# Altium PCB BGA_ACUity.PcbDoc (part 1 of 6)
Units mm, origin at the board's own origin, x right, y up, seen from the top; angles counter-clockwise.
Board outline 100 x 100.02 mm, 4 copper layers (TopSignal, Ground, Power, BottomSignal), stack 1.564 mm thick; 445 components, 325 nets, 2065 pads, 376 vias.
Unrouted connection lines stored in the file: 419.
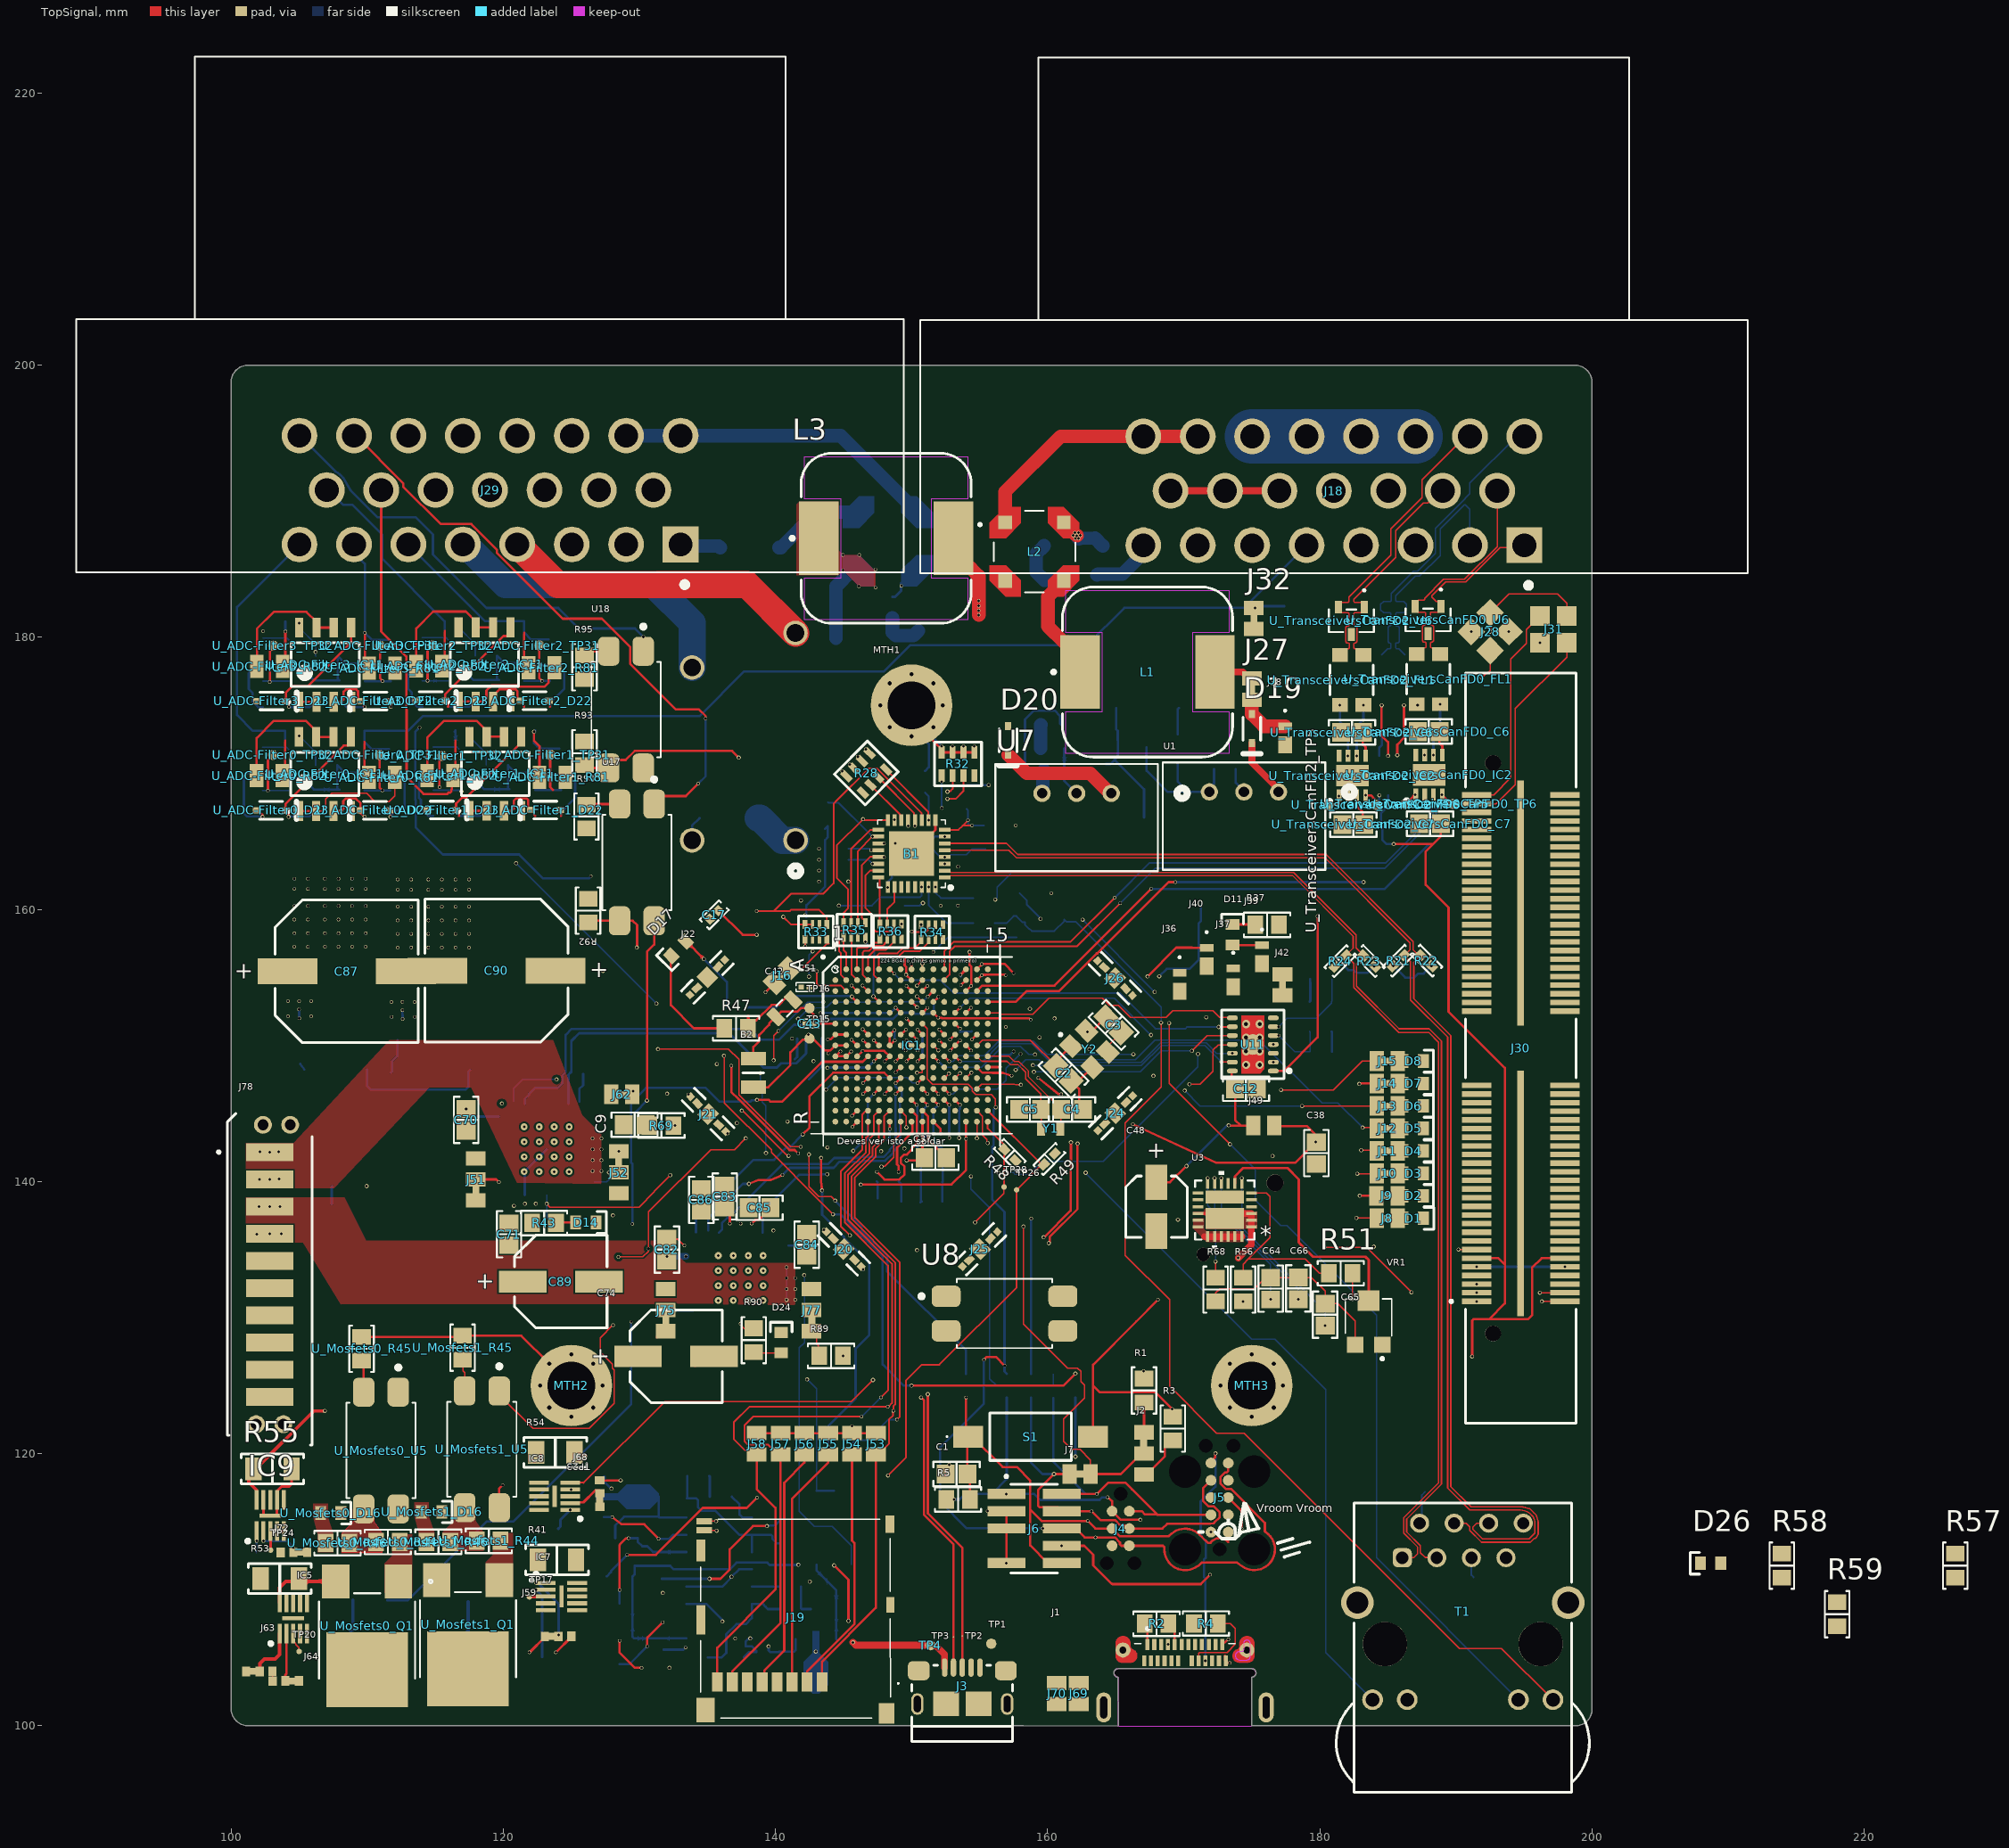
[diagram p0: TopSignal view]
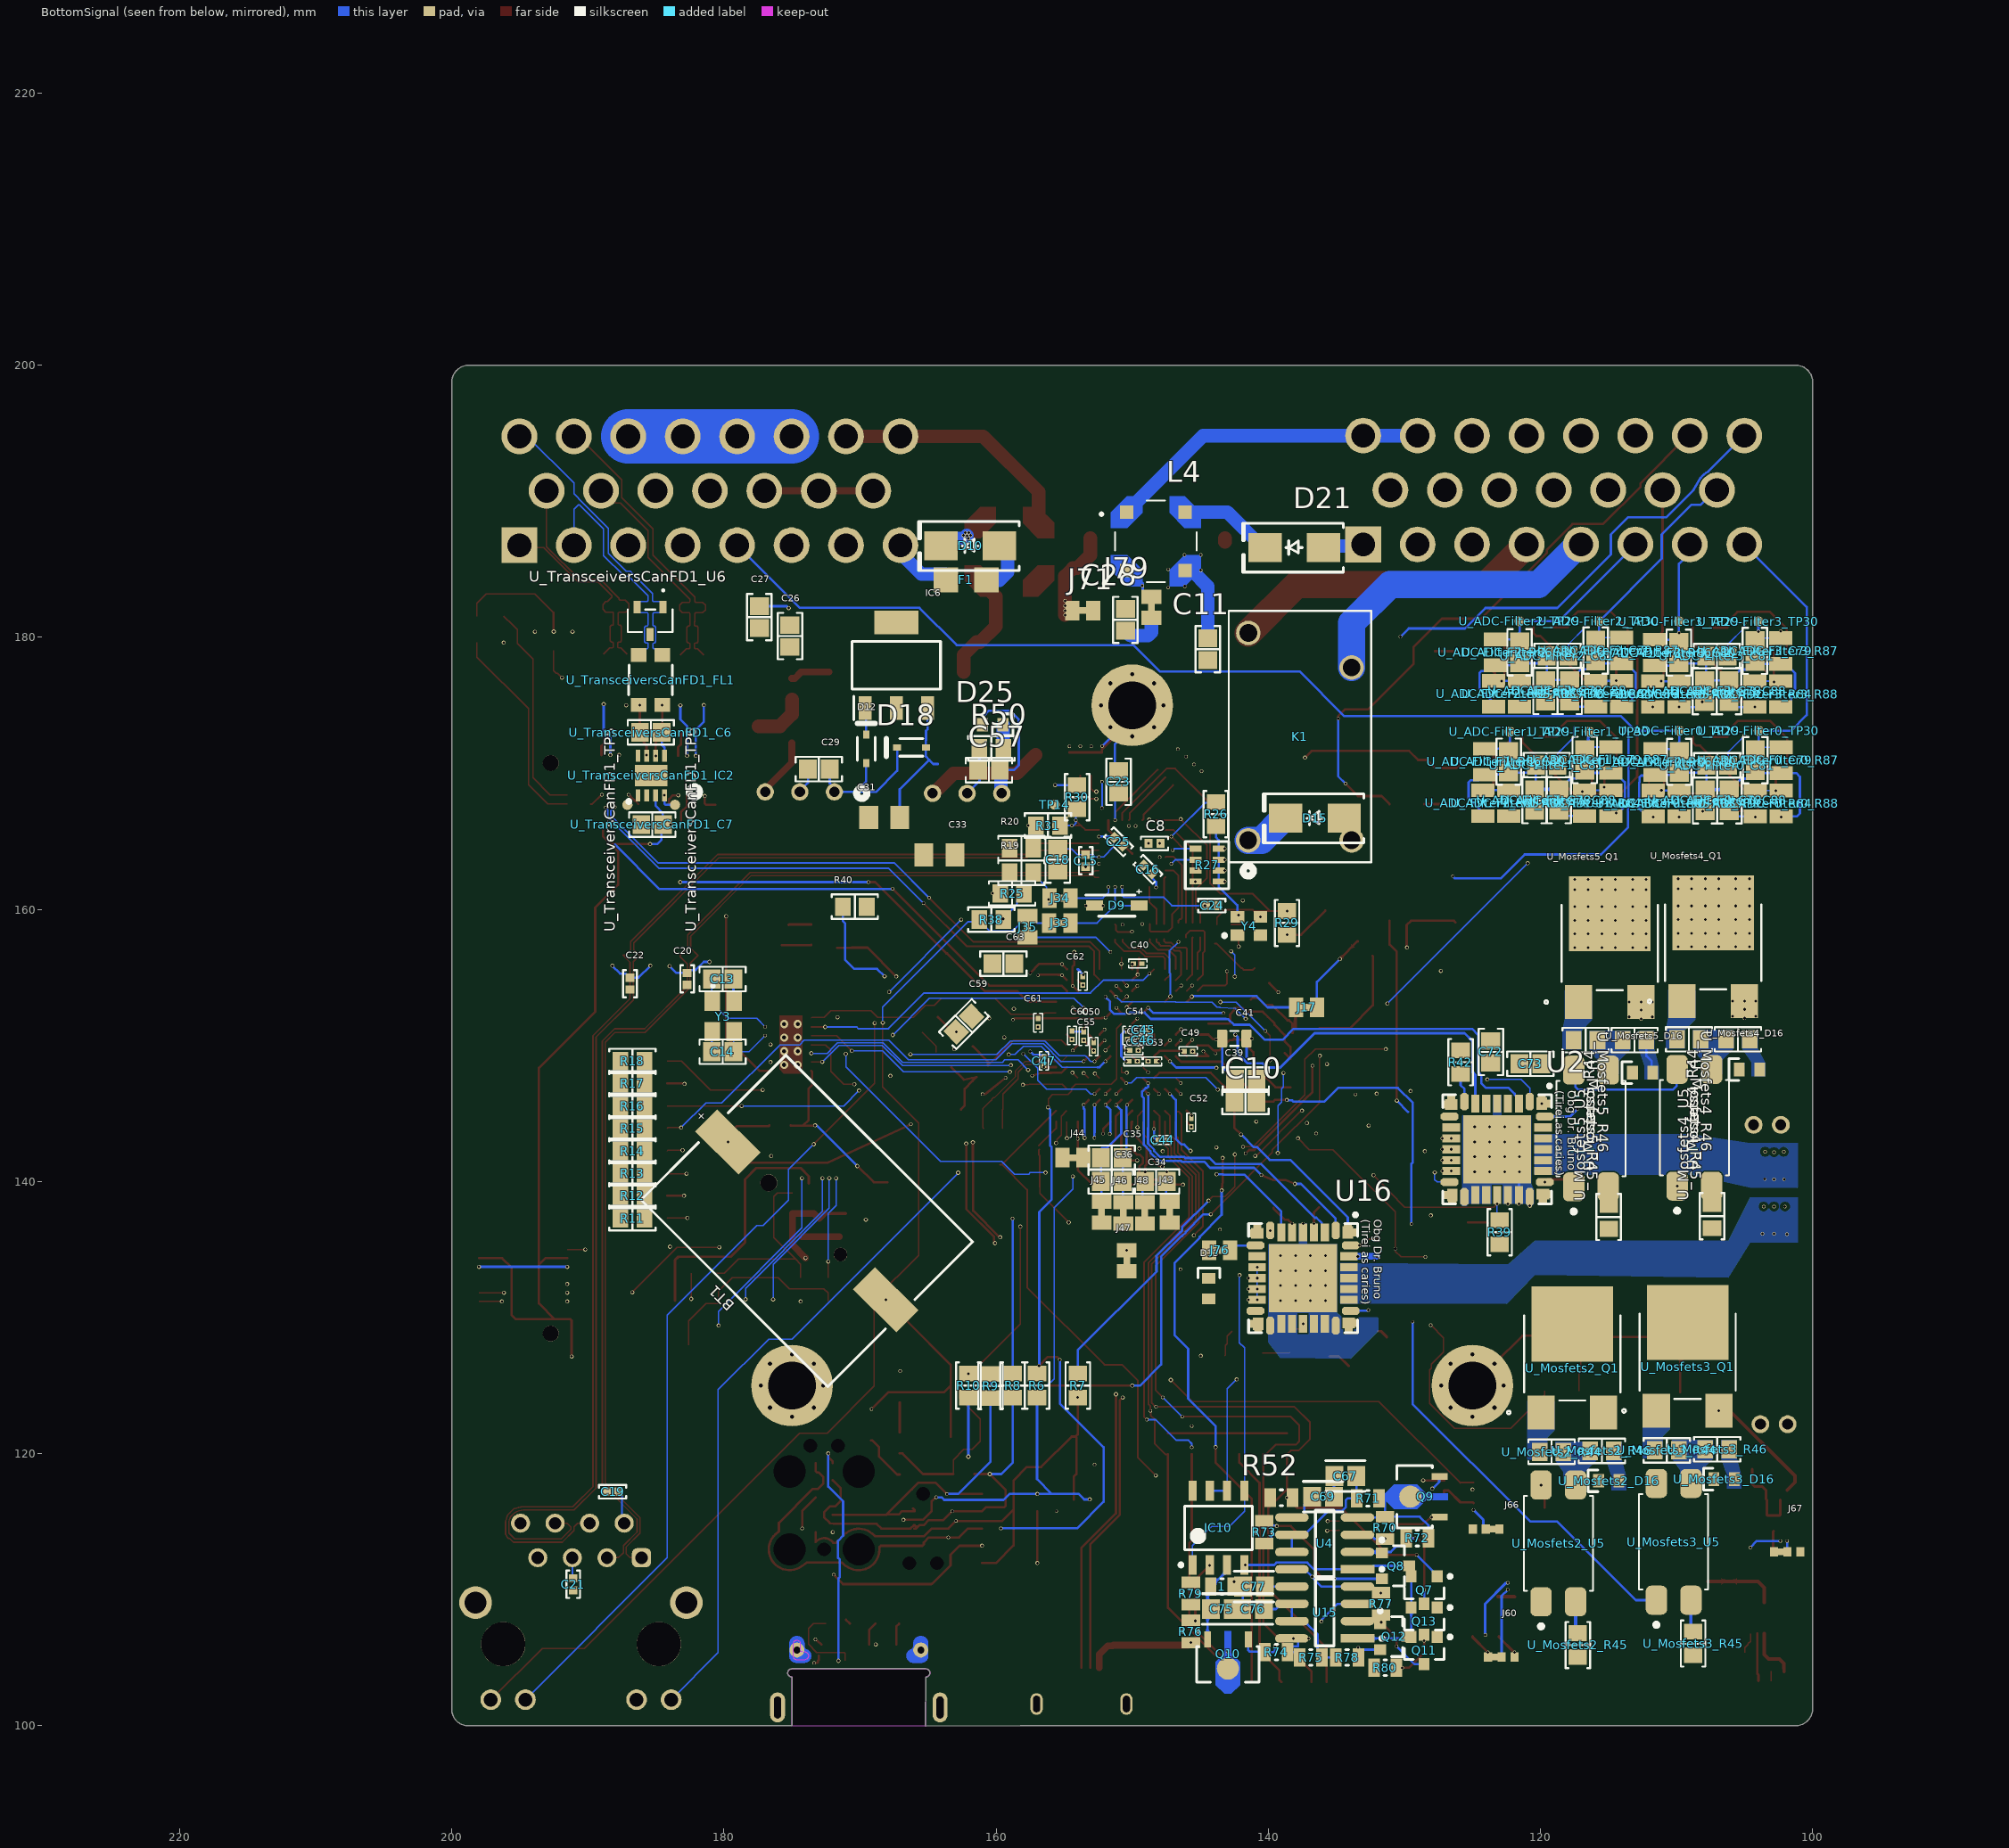
[diagram p1: BottomSignal view, seen from below]
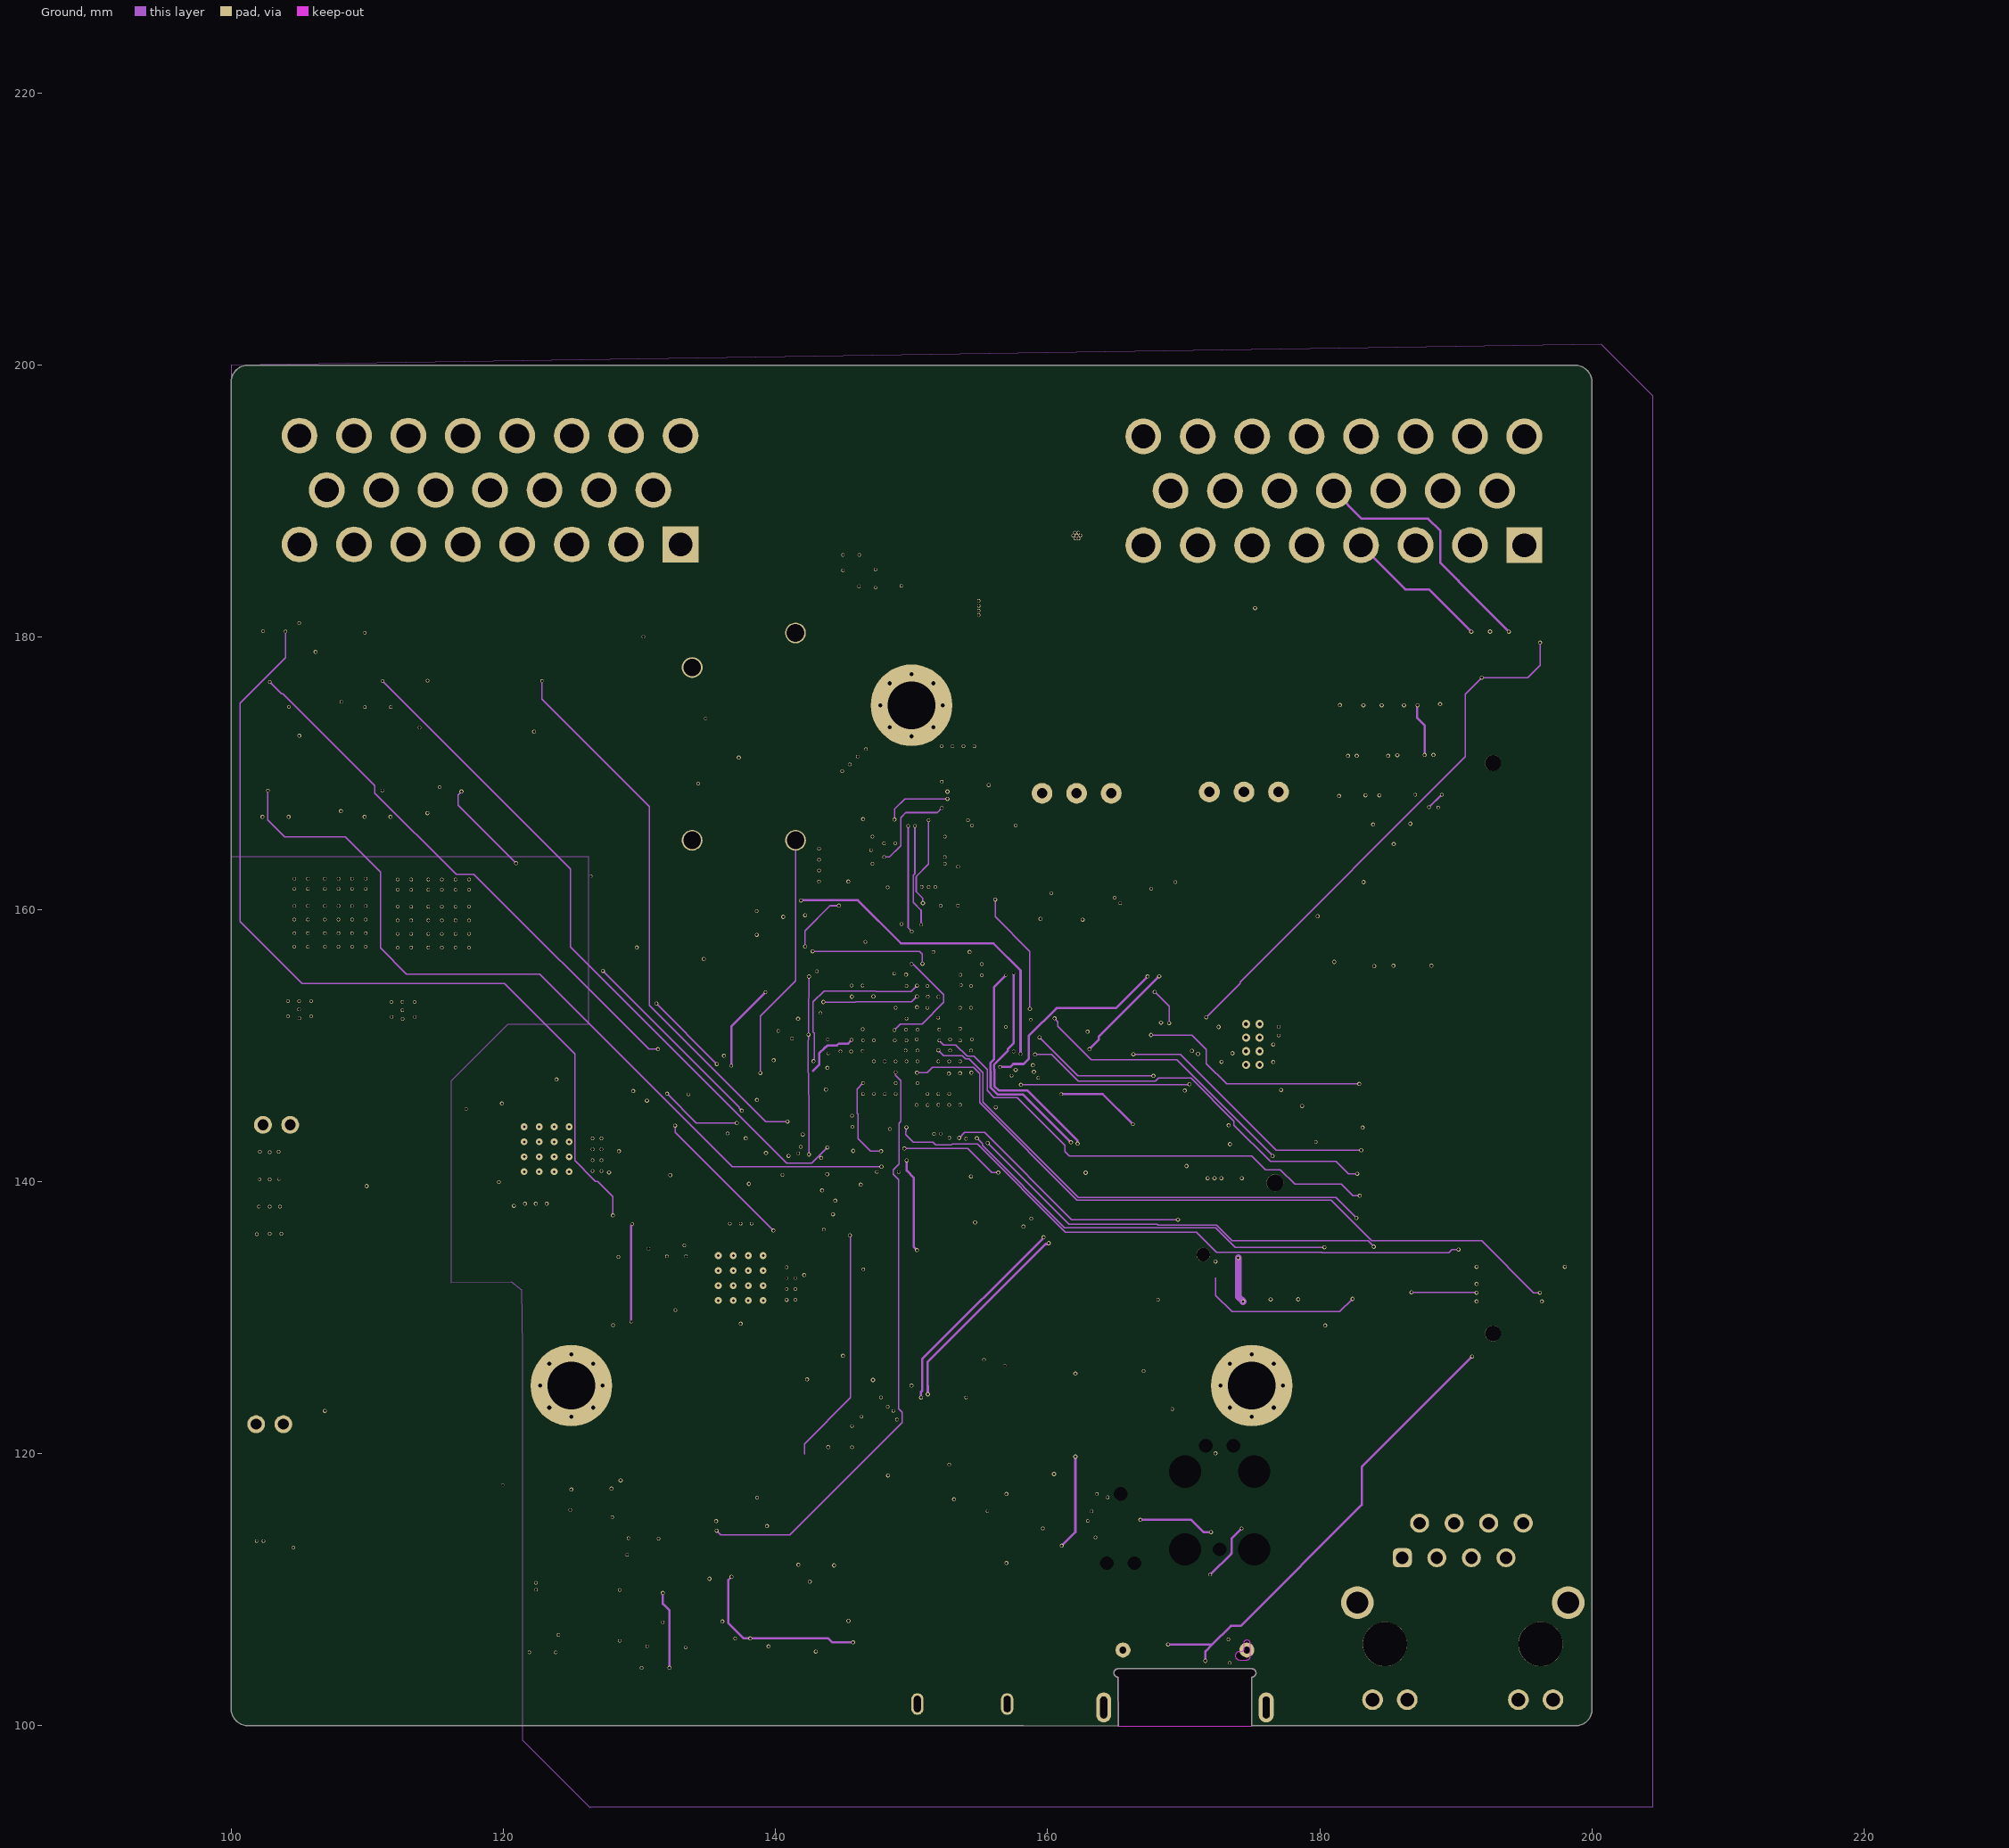
[diagram p2: Ground]